# Altium PCB Middle Row.PcbDoc (part 2 of 2)
Units mm, origin at the board's own origin, x right, y up, seen from the top; angles counter-clockwise.
Board outline 162 x 59 mm, 8 copper layers (Top Layer, Layer 2, Layer 3, Layer 4, Layer 5, Layer 6, Layer 7, Bottom Layer), stack 1.611 mm thick; 22 components, 79 nets, 357 pads, 135 vias.
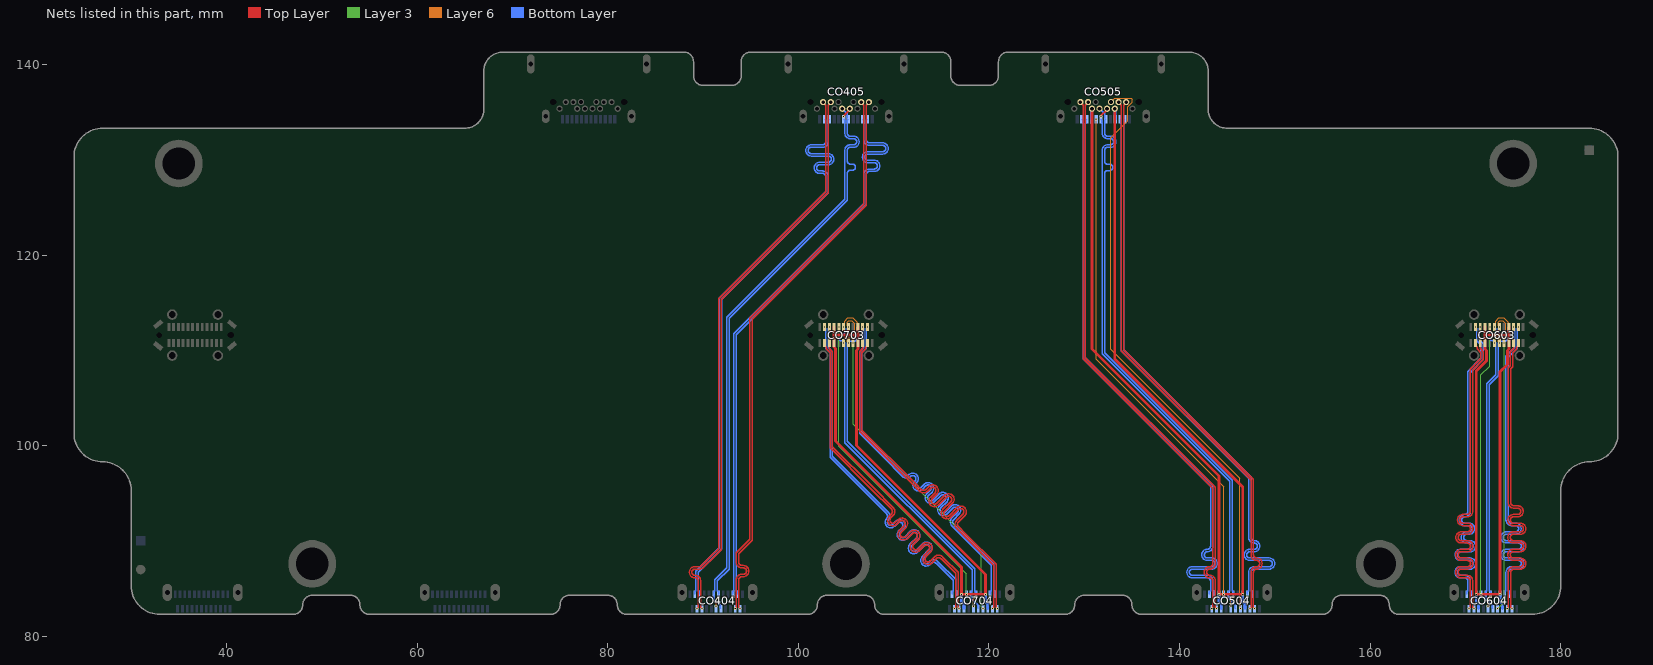
[diagram p8: the nets of this part, all layers, seen from the top]

## Via types
v1: diameter 0.3, hole 0.1, Top Layer to Bottom Layer, 57 vias
v2: diameter 0.3, hole 0.1, Layer 2 to Layer 7, 39 vias
v3: diameter 0.3, hole 0.1, Layer 7 to Bottom Layer, 27 vias
v4: diameter 0.3, hole 0.1, Top Layer to Layer 2, 12 vias

## Nets (pads, with @x,y where several pads share a name; then routed paths per layer and width w, separated by ;. In a path a pad name is that pad's centre, name@x,y a point inside that pad or via, vN(x,y) a via of type N, cw(c..) or ccw(c..) an arc to the next point about the centre after c; other vN are vias at no path point) (continued)
USB3_N: CO404.7 CO404.27 CO405.7 CO405.27 | length 60.8
  Layer 6 w0.125: v3(91.375,83.15) 91.375,83.9 v3(91.625,84.15)
  Bottom Layer w0.15: CO404.7@91.625,84.4 91.625,84.65 91.503,84.773 91.503,85.803 92.755,87.055 92.755,113.355 105.128,125.728 105.128,127.823 105.128,128.556 cw(c105.456,128.556) 105.456,128.885 105.659,128.885 ccw(c105.659,129.214) 105.988,129.214 ccw(c105.659,129.214) 105.659,129.543 105.456,129.543 cw(c105.456,129.872) 105.128,129.872 105.128,130.31 105.128,130.971 cw(c105.456,130.971) 105.456,131.3 105.789,131.3 ccw(c105.789,131.884) 105.789,132.468 105.456,132.468 cw(c105.456,132.797) 105.128,132.797 105.128,133 105.128,133.777 105.15,133.8 105.15,134.14 CO405.7@105.25,134.24 ; CO405.27@104.6,135.35 105.15,134.8 CO405.7@105.15,134.34
  other v2: 91.375,83.15 91.625,84.15
USB3_P: CO404.6 CO404.26 CO405.6 CO405.26 | length 60.2
  Top Layer w0.15: v1(104.75,134.55) 104.75,134.591 105.4,135.241 CO405.26@105.4,135.35
  Bottom Layer w0.15: CO404.26@91.875,82.9 91.8,82.975 91.8,83.3 91.2,83.9 91.2,84.325 CO404.6@91.125,84.4 91.125,84.65 91.248,84.773 91.248,85.908 92.5,87.161 92.5,113.461 104.873,125.833 104.873,130.31 104.873,130.971 cw(c105.456,130.971) 105.456,131.555 105.789,131.555 ccw(c105.789,131.884) 105.789,132.213 105.456,132.213 cw(c105.456,132.797) 104.873,132.797 104.873,133 104.873,133.777 104.85,133.8 104.85,134.14 CO405.6@104.75,134.24
USB3_RX1_N: CO404.30 CO405.30 | length 60.2
  Top Layer w0.15: v1(89.875,82.9) 89.875,82.94 89.753,83.063 89.753,85.6 89.753,85.803 ccw(c89.169,85.803) 89.169,86.387 89.155,86.387 cw(c89.155,86.716) 89.155,87.045 89.603,87.045 ccw(c89.603,87.629) 90.016,87.216 91.218,88.418 91.9,89.1 91.9,115.3 103.128,126.528 103.128,135.712 103.4,135.985 CO405.30@103.4,136.05
USB3_RX1_P: CO404.31 CO405.31 | length 60.2
  Top Layer w0.15: v1(89.375,82.9) 89.375,82.94 89.497,83.063 89.497,85.6 89.497,85.803 ccw(c89.169,85.803) 89.169,86.132 89.155,86.132 cw(c89.155,86.716) 89.155,87.3 89.603,87.3 ccw(c89.603,87.629) 89.835,87.396 90.874,88.435 91.645,89.206 91.645,115.406 102.873,126.633 102.873,135.712 102.6,135.985 CO405.31@102.6,136.05
USB3_RX2_N: CO404.10 CO405.10 | length 61.8
  Bottom Layer w0.15: CO404.10@93.125,84.4 93.125,84.65 93.247,84.773 93.247,111.747 106.872,125.372 106.872,125.5 106.872,128.438 cw(c107.456,128.438) 107.456,129.022 107.976,129.022 ccw(c107.976,129.351) 107.976,129.68 107.299,129.68 cw(c107.299,130.264) 107.299,130.848 108.852,130.848 ccw(c108.852,131.177) 108.852,131.506 107.456,131.506 cw(c107.456,132.09) 106.872,132.09 106.872,132.293 106.872,133.777 106.85,133.8 106.85,134.14 CO405.10@106.75,134.24
USB3_RX2_P: CO404.11 CO405.11 | length 61.8
  Bottom Layer w0.15: CO404.11@93.625,84.4 93.625,84.65 93.503,84.773 93.503,111.642 107.127,125.267 107.127,125.5 107.127,128.438 cw(c107.456,128.438) 107.456,128.767 107.976,128.767 ccw(c107.976,129.351) 107.976,129.935 107.299,129.935 cw(c107.299,130.264) 107.299,130.593 108.852,130.593 ccw(c108.852,131.177) 108.852,131.761 107.456,131.761 cw(c107.456,132.09) 107.127,132.09 107.127,132.293 107.127,133.777 107.15,133.8 107.15,134.14 CO405.11@107.25,134.24
USB3_TX1_N: CO404.3 CO405.3 | length 61.8
  Bottom Layer w0.15: CO404.3@89.625,84.4 89.625,84.65 89.503,84.773 89.503,86.703 91.955,89.155 91.955,115.355 102.3,125.7 103.128,126.528 103.128,128.232 ccw(c102.544,128.232) 102.544,128.816 102.249,128.816 cw(c102.249,129.145) 102.249,129.474 103.13,129.474 ccw(c103.13,130.058) 103.13,130.642 101.352,130.642 cw(c101.352,130.971) 101.352,131.3 102.544,131.3 ccw(c102.544,131.884) 103.128,131.884 103.128,133 103.128,133.777 103.15,133.8 103.15,134.14 CO405.3@103.25,134.24
USB3_TX1_P: CO404.2 CO405.2 | length 61.8
  Bottom Layer w0.15: CO404.2@89.125,84.4 89.125,84.65 89.248,84.773 89.248,86.808 91.7,89.261 91.7,115.461 101.939,125.7 102.873,126.633 102.873,128.232 ccw(c102.544,128.232) 102.544,128.561 102.249,128.561 cw(c102.249,129.145) 102.249,129.729 103.13,129.729 ccw(c103.13,130.058) 103.13,130.387 101.352,130.387 cw(c101.352,130.971) 101.352,131.555 102.544,131.555 ccw(c102.544,131.884) 102.873,131.884 102.873,133 102.873,133.777 102.85,133.8 102.85,134.14 CO405.2@102.75,134.24
USB3_TX2_N: CO404.23 CO405.23 | length 60.2
  Top Layer w0.15: v1(93.375,82.9) 93.375,82.94 93.497,83.063 93.497,84.811 93.497,85.926 cw(c94.081,85.926) 94.081,86.51 94.235,86.51 ccw(c94.235,86.839) 94.235,87.168 94.081,87.168 cw(c94.081,87.752) 93.497,87.752 93.497,88.426 93.497,88.758 94.9,90.161 94.9,113.361 106.872,125.333 106.872,135.712 106.6,135.985 CO405.23@106.6,136.05
USB3_TX2_P: CO404.22 CO405.22 | length 60.2
  Top Layer w0.15: v1(93.875,82.9) 93.875,82.94 93.752,83.063 93.752,84.811 93.752,85.926 cw(c94.081,85.926) 94.081,86.255 94.235,86.255 ccw(c94.235,86.839) 94.235,87.423 94.081,87.423 cw(c94.081,87.752) 93.752,87.752 93.752,88.426 93.752,88.652 95.155,90.055 95.155,113.255 107.127,125.227 107.127,135.712 107.4,135.985 CO405.22@107.4,136.05
USB4_5V: CO504.4 CO504.9 CO504.24 CO504.29 CO505.4 CO505.9 CO505.24 CO505.29 | length 120.9
  Top Layer w0.3: CO505.29@130.8,135.35 130.8,110.15 144.125,96.825 v1(144.125,84.4) v1(146.625,84.4) 146.625,95.675 133.2,109.1 CO505.24@133.2,135.35
  Bottom Layer w0.3: CO505.4@130.75,134.24 130.775,134.265 130.775,135.325 CO505.29@130.8,135.35 ; CO505.24@133.2,135.35 133.225,135.325 133.225,134.265 CO505.9@133.25,134.24 ; v1(144.125,84.4) 144.125,83.625 144.375,83.375 CO504.29@144.375,82.9 ; v1(146.625,84.4) 146.625,83.626 146.875,83.376 CO504.24@146.875,82.9
USB4_CC1: CO504.5 CO505.5 | length 55.4
  Layer 6 w0.127: v3(131.25,134.24) 131.25,109.05 144.625,95.675 v3(144.625,84.4)
  other v2: 144.625,84.4 131.25,134.24
USB4_CC2: CO504.25 CO505.25 | length 62.4
  Layer 6 w0.1: CO505.25@132.8,136.05 133.195,136.445 134.905,136.445 135.025,136.325 135.025,136.004 134.57,135.549 134.57,134.07 132.8,132.3 132.8,110.1 146.3,96.6 146.3,84.275 146.375,84.2 v3(146.375,82.9)
  other v2: 146.375,82.9
USB4_N: CO504.7 CO504.27 CO505.7 CO505.27 | length 60.6
  Layer 6 w0.125: v3(145.375,83.15) 145.375,83.9 v3(145.625,84.15)
  Bottom Layer w0.15: CO505.27@131.6,135.35 132.15,134.8 CO505.7@132.15,134.34 ; CO505.7@132.25,134.24 132.15,134.14 132.15,133.8 132.128,133.777 132.128,133 132.128,132.797 ccw(c132.456,132.797) 132.456,132.468 132.742,132.468 cw(c132.742,131.884) 132.742,131.3 132.456,131.3 ccw(c132.456,130.971) 132.128,130.971 132.128,130.276 132.128,129.849 ccw(c132.456,129.849) 132.456,129.52 132.659,129.52 cw(c132.659,129.191) 132.988,129.191 cw(c132.659,129.191) 132.659,128.862 132.456,128.862 ccw(c132.456,128.533) 132.128,128.533 132.128,127.8 132.128,109.733 145.503,96.358 145.503,84.773 145.625,84.65 CO504.7@145.625,84.4
  other v2: 145.375,83.15 145.625,84.15
USB4_P: CO504.6 CO504.26 CO505.6 CO505.26 | length 60
  Top Layer w0.15: v1(131.75,134.55) 131.75,134.591 132.4,135.241 CO505.26@132.4,135.35
  Bottom Layer w0.15: CO505.6@131.75,134.24 131.85,134.14 131.85,133.8 131.872,133.777 131.872,133 131.872,132.797 ccw(c132.456,132.797) 132.456,132.213 132.742,132.213 cw(c132.742,131.884) 132.742,131.555 132.456,131.555 ccw(c132.456,130.971) 131.872,130.971 131.872,130.276 131.872,109.628 145.248,96.253 145.248,84.773 145.125,84.65 CO504.6@145.125,84.4 145.2,84.325 145.2,83.9 145.8,83.3 145.8,82.975 CO504.26@145.875,82.9
USB4_RX1_N: CO504.30 CO505.30 | length 60
  Top Layer w0.15: CO505.30@130.4,136.05 130.4,135.985 130.128,135.712 130.128,109.233 143.753,95.608 143.753,92.4 143.753,87.629 cw(c143.169,87.629) 143.169,87.045 ccw(c143.168,86.716) 143.168,86.387 cw(c143.169,85.803) 143.753,85.803 143.753,85.6 143.753,83.063 143.875,82.94 v1(143.875,82.9)
USB4_RX1_P: CO504.31 CO505.31 | length 60
  Top Layer w0.15: CO505.31@129.6,136.05 129.6,135.985 129.873,135.712 129.873,109.128 143.498,95.503 143.498,92.4 143.498,87.629 cw(c143.169,87.629) 143.169,87.3 ccw(c143.168,86.716) 143.168,86.132 cw(c143.169,85.803) 143.498,85.803 143.498,85.6 143.498,83.063 143.375,82.94 v1(143.375,82.9)
USB4_RX2_N: CO504.10 CO505.10 | length 61.6
  Bottom Layer w0.15: CO505.10@133.75,134.24 133.85,134.14 133.85,133.8 133.872,133.777 133.872,109.967 147.248,96.592 147.248,93.1 147.248,90.368 ccw(c147.832,90.368) 147.832,89.784 cw(c147.832,89.455) 147.832,89.126 147.375,89.126 ccw(c147.375,88.542) 147.375,87.958 149.4,87.958 cw(c149.4,87.629) 149.4,87.3 147.832,87.3 ccw(c147.832,86.716) 147.248,86.716 147.248,85.6 147.248,84.773 147.125,84.65 CO504.10@147.125,84.4
USB4_RX2_P: CO504.11 CO505.11 | length 61.6
  Bottom Layer w0.15: CO505.11@134.25,134.24 134.15,134.14 134.15,133.8 134.127,133.777 134.127,110.073 147.503,96.698 147.503,93.1 147.503,90.368 ccw(c147.832,90.368) 147.832,90.039 cw(c147.832,89.455) 147.832,88.871 147.375,88.871 ccw(c147.375,88.542) 147.375,88.213 149.4,88.213 cw(c149.4,87.629) 149.4,87.045 147.832,87.045 ccw(c147.832,86.716) 147.503,86.716 147.503,85.6 147.503,84.773 147.625,84.65 CO504.11@147.625,84.4
USB4_TX1_N: CO504.3 CO505.3 | length 61.6
  Bottom Layer w0.15: CO505.3@130.25,134.24 130.15,134.14 130.15,133.8 130.128,133.777 130.128,109.233 143.503,95.858 143.503,92.2 143.503,89.455 cw(c142.919,89.455) 142.919,88.871 ccw(c142.918,88.542) 142.918,88.213 143.375,88.213 cw(c143.375,87.629) 143.375,87.045 141.35,87.045 ccw(c141.35,86.716) 141.35,86.387 142.919,86.387 cw(c142.919,85.803) 143.503,85.803 143.503,85.6 143.503,84.773 143.625,84.65 CO504.3@143.625,84.4
USB4_TX1_P: CO504.2 CO505.2 | length 61.6
  Bottom Layer w0.15: CO505.2@129.75,134.24 129.85,134.14 129.85,133.8 129.873,133.777 129.873,109.127 143.248,95.752 143.248,92.2 143.248,89.455 cw(c142.919,89.455) 142.919,89.126 ccw(c142.918,88.542) 142.918,87.958 143.375,87.958 cw(c143.375,87.629) 143.375,87.3 141.35,87.3 ccw(c141.35,86.716) 141.35,86.132 142.919,86.132 cw(c142.919,85.803) 143.248,85.803 143.248,85.6 143.248,84.773 143.125,84.65 CO504.2@143.125,84.4
USB4_TX2_N: CO504.23 CO505.23 | length 60
  Top Layer w0.15: CO505.23@133.6,136.05 133.6,135.985 133.872,135.712 133.872,109.967 147.497,96.342 147.497,89.891 147.497,88.542 ccw(c148.081,88.542) 148.081,87.958 cw(c148.082,87.629) 148.082,87.3 ccw(c148.081,86.716) 147.497,86.716 147.497,85.6 147.497,83.063 147.375,82.94 v1(147.375,82.9)
USB4_TX2_P: CO504.22 CO505.22 | length 60
  Top Layer w0.15: CO505.22@134.4,136.05 134.4,135.985 134.127,135.712 134.127,110.073 147.752,96.448 147.752,89.891 147.752,88.542 ccw(c148.081,88.542) 148.081,88.213 cw(c148.082,87.629) 148.082,87.045 ccw(c148.081,86.716) 147.752,86.716 147.752,85.6 147.752,83.063 147.875,82.94 v1(147.875,82.9)
USB5_5V: CO603.4 CO603.9 CO603.24 CO603.29 CO604.4 CO604.9 CO604.24 CO604.29 | length 65.2
  Top Layer w0.3: CO603.4@172.05,112.43 172.05,111.6 ; CO603.9@174.55,112.43 174.55,111.6 ; 172.05,111.6 174.55,111.6 ; 172.05,111.6 CO603.29@172.05,110.77 172.05,110.146 172.205,109.991 172.205,108.909 171.125,107.829 v1(171.125,84.4) v1(173.625,84.4) 173.625,107.753 174.395,108.523 174.395,109.991 174.55,110.146 CO603.24@174.55,110.77 174.55,111.6
  Bottom Layer w0.3: v1(171.125,84.4) 171.125,83.625 171.375,83.375 CO604.29@171.375,82.9 ; v1(173.625,84.4) 173.625,83.626 173.875,83.376 CO604.24@173.875,82.9
USB5_CC1: CO603.5 CO604.5 | length 28.4
  Layer 3 w0.125: v3(171.625,84.4) 171.625,107.425 172.55,108.35 v4(172.55,112.43)
  other v2: 171.625,84.4 172.55,112.43
USB5_CC2: CO603.25 CO604.25 | length 28.1
  Layer 3 w0.1: v3(173.375,82.9) 174.05,83.575 v4(174.05,110.77)
  other v2: 173.375,82.9 174.05,110.77
USB5_N: CO603.7 CO603.27 CO604.7 CO604.27 | length 35.4
  Layer 6 w0.125: v3(172.375,83.15) 172.375,83.9 v3(172.625,84.15) ; v2(173.05,110.77) 173.05,110.817 173.152,110.92 173.152,111.322 173.425,111.595 173.995,111.595 174.2,111.8 174.2,112.8 174,113 173.9,113.1 173.6,113.1 173.447,112.948 173.447,112.58 173.55,112.477 v1(173.55,112.43)
  Bottom Layer w0.15: CO604.7@172.625,84.4 172.625,84.65 172.503,84.773 172.503,106.403 173.427,107.328 173.427,109.908 173.427,110.641 cw(c173.756,110.641) 173.756,110.97 174.12,110.97 ccw(c174.12,111.299) 174.449,111.299 ccw(c174.12,111.299) 174.12,111.628 173.756,111.628 cw(c173.756,111.957) 173.427,111.957 173.427,112.267 173.55,112.39 173.55,112.424 v1(173.55,112.43)
  other v2: 172.375,83.15 172.625,84.15
  other v4: 173.05,110.77
USB5_P: CO603.6 CO603.26 CO604.6 CO604.26 | length 36.4
  Layer 6 w0.125: v1(173.05,112.43) 173.05,112.477 173.152,112.58 173.152,113.07 173.478,113.395 174.022,113.395 174.495,112.922 174.495,111.678 174.117,111.3 173.547,111.3 173.447,111.2 173.447,110.92 173.55,110.817 v2(173.55,110.77)
  Bottom Layer w0.15: CO604.26@172.875,82.9 172.8,82.975 172.8,83.3 172.2,83.9 172.2,84.325 CO604.6@172.125,84.4 172.125,84.65 172.248,84.773 172.248,106.508 173.172,107.433 173.172,110.61 173.172,110.685 ccw(c172.843,110.685) 172.843,111.014 cw(c172.843,111.343) 172.514,111.343 cw(c172.843,111.343) 172.843,111.672 ccw(c172.843,112.001) 173.172,112.001 173.172,112.267 173.05,112.39 173.05,112.417 v1(173.05,112.43)
  other v4: 173.55,110.77
USB5_RX1_N: CO603.30 CO604.30 | length 37.5
  Top Layer w0.15: v1(170.875,82.9) 170.875,82.94 170.753,83.063 170.753,85.6 170.753,85.803 ccw(c170.169,85.803) 170.169,86.387 169.552,86.387 cw(c169.552,86.716) 169.552,87.045 170.197,87.045 ccw(c170.197,87.629) 170.197,88.213 169.552,88.213 cw(c169.552,88.542) 169.552,88.871 170.197,88.871 ccw(c170.197,89.455) 170.197,90.039 169.552,90.039 cw(c169.552,90.368) 169.552,90.696 170.197,90.696 ccw(c170.197,91.28) 170.197,91.864 169.732,91.864 cw(c169.732,92.193) 169.732,92.522 170.169,92.522 ccw(c170.169,93.106) 170.753,93.106 170.753,94.453 170.753,107.917 171.88,109.044 171.88,109.856 171.528,110.208 171.528,110.748 CO603.30@171.55,110.77
USB5_RX1_P: CO603.31 CO604.31 | length 37.5
  Top Layer w0.15: v1(170.375,82.9) 170.375,82.94 170.498,83.063 170.498,85.6 170.498,85.803 ccw(c170.169,85.803) 170.169,86.132 169.552,86.132 cw(c169.552,86.716) 169.552,87.3 170.197,87.3 ccw(c170.197,87.629) 170.197,87.958 169.552,87.958 cw(c169.552,88.542) 169.552,89.126 170.197,89.126 ccw(c170.197,89.455) 170.197,89.784 169.552,89.784 cw(c169.552,90.368) 169.552,90.951 170.197,90.951 ccw(c170.197,91.28) 170.197,91.609 169.732,91.609 cw(c169.732,92.193) 169.732,92.777 170.169,92.777 ccw(c170.169,93.106) 170.498,93.106 170.498,94.453 170.498,108.022 171.625,109.15 171.625,109.75 171.225,110.15 171.225,110.32 171.05,110.495 CO603.31@171.05,110.77
USB5_RX2_N: CO603.10 CO604.10 | length 37.5
  Bottom Layer w0.15: CO604.10@174.125,84.4 174.125,84.65 174.248,84.773 174.248,85.6 174.248,86.716 cw(c174.831,86.716) 174.831,87.3 175.546,87.3 ccw(c175.546,87.629) 175.546,87.958 174.284,87.958 cw(c174.284,88.542) 174.284,89.126 175.546,89.126 ccw(c175.546,89.455) 175.546,89.784 174.284,89.784 cw(c174.284,90.368) 174.284,90.951 175.254,90.951 ccw(c175.254,91.28) 175.254,91.609 174.831,91.609 cw(c174.831,92.193) 174.248,92.193 174.248,93.521 174.248,95.328 174.248,95.594 174.248,109.383 175.172,110.308 175.172,112.267 175.05,112.39 v1(175.05,112.43)
USB5_RX2_P: CO603.11 CO604.11 | length 37.5
  Bottom Layer w0.15: CO604.11@174.625,84.4 174.625,84.65 174.503,84.773 174.503,85.6 174.503,86.716 cw(c174.831,86.716) 174.831,87.045 175.546,87.045 ccw(c175.546,87.629) 175.546,88.213 174.284,88.213 cw(c174.284,88.542) 174.284,88.871 175.546,88.871 ccw(c175.546,89.455) 175.546,90.039 174.284,90.039 cw(c174.284,90.368) 174.284,90.696 175.254,90.696 ccw(c175.254,91.28) 175.254,91.864 174.831,91.864 cw(c174.831,92.193) 174.503,92.193 174.503,93.521 174.503,95.222 174.503,95.488 174.503,109.278 175.427,110.203 175.427,112.267 175.55,112.39 v1(175.55,112.43)
USB5_TX1_N: CO603.3 CO604.3 | length 37.5
  Bottom Layer w0.15: CO604.3@170.625,84.4 170.625,84.65 170.503,84.773 170.503,85.6 170.503,85.803 ccw(c169.919,85.803) 169.919,86.387 169.49,86.387 cw(c169.49,86.716) 169.49,87.045 170.481,87.045 ccw(c170.481,87.629) 170.481,88.213 169.49,88.213 cw(c169.49,88.542) 169.49,88.871 170.481,88.871 ccw(c170.481,89.455) 170.481,90.039 170.12,90.039 cw(c170.12,90.368) 170.12,90.696 170.375,90.696 ccw(c170.375,91.28) 170.375,91.864 169.918,91.864 cw(c169.918,92.193) 169.918,92.522 ccw(c169.919,93.106) 170.503,93.106 170.503,94.149 170.503,107.667 171.88,109.044 171.88,110.664 171.428,111.117 171.428,112.267 171.55,112.39 v1(171.55,112.43)
USB5_TX1_P: CO603.2 CO604.2 | length 37.5
  Bottom Layer w0.15: CO604.2@170.125,84.4 170.125,84.65 170.248,84.773 170.248,85.6 170.248,85.803 ccw(c169.919,85.803) 169.919,86.132 169.49,86.132 cw(c169.49,86.716) 169.49,87.3 170.481,87.3 ccw(c170.481,87.629) 170.481,87.958 169.49,87.958 cw(c169.49,88.542) 169.49,89.126 170.481,89.126 ccw(c170.481,89.455) 170.481,89.784 170.12,89.784 cw(c170.12,90.368) 170.12,90.951 170.375,90.951 ccw(c170.375,91.28) 170.375,91.609 169.918,91.609 cw(c169.918,92.193) 169.918,92.777 ccw(c169.919,93.106) 170.248,93.106 170.248,94.149 170.248,107.772 171.625,109.15 171.625,110.558 171.172,111.011 171.172,112.267 171.05,112.39 v1(171.05,112.43)
USB5_TX2_N: CO603.23 CO604.23 | length 37.5
  Top Layer w0.15: v1(174.375,82.9) 174.375,82.94 174.497,83.063 174.497,85.6 174.498,86.716 cw(c175.081,86.716) 175.081,87.3 175.741,87.3 ccw(c175.741,87.628) 176.07,87.628 ccw(c175.741,87.629) 175.741,87.957 175.019,87.957 cw(c175.019,88.541) 174.435,88.541 cw(c175.019,88.541) 175.019,89.125 175.741,89.125 ccw(c175.741,89.454) 176.07,89.454 ccw(c175.741,89.454) 175.741,89.783 175.019,89.783 cw(c175.019,90.367) 174.435,90.367 cw(c175.019,90.367) 175.019,90.951 175.741,90.951 ccw(c175.741,91.28) 176.07,91.28 ccw(c175.741,91.28) 175.741,91.609 175.019,91.609 cw(c175.019,92.193) 174.435,92.193 cw(c175.019,92.193) 175.019,92.777 175.473,92.777 ccw(c175.473,93.106) 175.802,93.106 ccw(c175.473,93.106) 175.473,93.435 175.081,93.435 cw(c175.081,94.019) 174.498,94.019 174.498,94.886 174.497,95.141 174.497,108.166 174.72,108.389 174.72,109.856 175.072,110.208 175.072,110.748 CO603.23@175.05,110.77
USB5_TX2_P: CO603.22 CO604.22 | length 37.5
  Top Layer w0.15: v1(174.875,82.9) 174.875,82.94 174.752,83.063 174.752,85.6 174.752,86.716 cw(c175.081,86.716) 175.081,87.045 175.741,87.045 ccw(c175.741,87.628) 176.325,87.628 ccw(c175.741,87.629) 175.741,88.212 175.019,88.212 cw(c175.019,88.541) 174.69,88.541 cw(c175.019,88.541) 175.019,88.87 175.741,88.87 ccw(c175.741,89.454) 176.325,89.454 ccw(c175.741,89.454) 175.741,90.038 175.019,90.038 cw(c175.019,90.367) 174.69,90.367 cw(c175.019,90.367) 175.019,90.696 175.741,90.696 ccw(c175.741,91.28) 176.325,91.28 ccw(c175.741,91.28) 175.741,91.864 175.019,91.864 cw(c175.019,92.193) 174.69,92.193 cw(c175.019,92.193) 175.019,92.522 175.473,92.522 ccw(c175.473,93.106) 176.057,93.106 ccw(c175.473,93.106) 175.473,93.69 175.081,93.69 cw(c175.081,94.019) 174.752,94.019 174.752,94.886 174.753,95.141 174.753,108.061 174.975,108.283 174.975,109.75 175.375,110.15 175.375,110.32 175.55,110.495 CO603.22@175.55,110.77
USB6_5V: CO703.4 CO703.9 CO703.24 CO703.29 CO704.4 CO704.9 CO704.24 CO704.29 | length 75.5
  Top Layer w0.3: CO703.4@103.75,112.43 103.75,111.6 ; CO703.9@106.25,112.43 106.25,111.6 ; 103.75,111.6 106.25,111.6 ; 103.75,111.6 CO703.29@103.75,110.77 103.75,110.334 103.905,110.179 103.905,100.495 117.125,87.275 v1(117.125,84.4) v1(119.625,84.4) 119.625,86.475 106.095,100.005 106.095,109.991 106.25,110.146 CO703.24@106.25,110.77 106.25,111.6
  Bottom Layer w0.3: v1(117.125,84.4) 117.125,83.625 117.375,83.375 CO704.29@117.375,82.9 ; v1(119.625,84.4) 119.625,83.626 119.875,83.376 CO704.24@119.875,82.9
USB6_CC1: CO703.5 CO704.5 | length 33.6
  Layer 3 w0.125: v4(104.25,112.43) 104.25,99.95 117.625,86.575 v3(117.625,84.4)
  other v2: 117.625,84.4 104.25,112.43
USB6_CC2: CO703.25 CO704.25 | length 33.5
  Layer 3 w0.125: v4(105.75,110.77) 105.75,102.25 119.2,88.8 119.2,83.075 v3(119.375,82.9)
  other v2: 119.375,82.9 105.75,110.77
USB6_N: CO703.7 CO703.27 CO704.7 CO704.27 | length 40.6
  Layer 6 w0.125: v2(104.75,110.77) 104.75,110.817 104.853,110.92 104.853,111.322 105.125,111.595 105.695,111.595 105.9,111.8 105.9,112.8 105.7,113 105.6,113.1 105.3,113.1 105.148,112.948 105.148,112.58 105.25,112.477 v1(105.25,112.43) ; v3(118.375,83.15) 118.375,83.9 v3(118.625,84.15)
  Bottom Layer w0.15: v1(105.25,112.43) 105.25,112.416 105.25,112.39 105.128,112.267 105.128,111.948 ccw(c105.456,111.948) 105.456,111.619 105.82,111.619 cw(c105.82,111.29) 106.149,111.29 cw(c105.82,111.29) 105.82,110.961 105.456,110.961 ccw(c105.456,110.632) 105.128,110.632 105.128,109.899 105.128,100.433 118.503,87.058 118.503,84.773 118.625,84.65 CO704.7@118.625,84.4
  other v2: 118.375,83.15 118.625,84.15
  other v4: 104.75,110.77
USB6_P: CO703.6 CO703.26 CO704.6 CO704.26 | length 41.6
  Layer 6 w0.125: v1(104.75,112.43) 104.75,112.477 104.853,112.58 104.853,113.07 105.178,113.395 105.722,113.395 106.195,112.922 106.195,111.678 105.817,111.3 105.248,111.3 105.148,111.2 105.148,110.92 105.25,110.817 v2(105.25,110.77)
  Bottom Layer w0.15: v1(104.75,112.43) 104.75,112.405 104.75,112.39 104.873,112.267 104.873,111.993 cw(c104.544,111.993) 104.544,111.664 ccw(c104.543,111.335) 104.214,111.335 ccw(c104.543,111.335) 104.543,111.006 cw(c104.544,110.677) 104.873,110.677 104.873,110.602 104.873,100.328 118.248,86.953 118.248,84.773 118.125,84.65 CO704.6@118.125,84.4 118.2,84.325 118.2,83.9 118.8,83.3 118.8,82.975 CO704.26@118.875,82.9
  other v4: 105.25,110.77
USB6_RX1_N: CO703.30 CO704.30 | length 42.6
  Top Layer w0.15: CO703.30@103.25,110.77 103.228,110.748 103.228,110.208 103.58,109.856 103.58,99.881 107.786,95.675 107.891,95.569 109.965,93.495 cw(c109.552,93.082) 109.965,92.669 109.705,92.409 ccw(c109.938,92.176) 109.705,91.944 ccw(c109.938,92.176) 110.17,91.944 110.467,92.24 cw(c110.88,91.827) 111.293,92.24 cw(c110.88,91.827) 111.33,91.456 111.33,91.452 110.801,90.923 ccw(c111.033,90.69) 110.801,90.457 ccw(c111.033,90.69) 111.266,90.457 ; 111.267,90.458 111.758,90.949 cw(c112.171,90.536) 112.584,90.949 cw(c112.171,90.536) 112.621,90.164 112.621,90.161 112.092,89.631 ccw(c112.325,89.399) 112.092,89.166 ccw(c112.325,89.399) 112.557,89.166 113.049,89.658 cw(c113.462,89.245) 113.875,89.658 cw(c113.462,89.245) 113.912,88.873 113.912,88.869 113.383,88.34 ccw(c113.616,88.108) 113.383,87.875 ccw(c113.616,88.108) 113.848,87.875 ; 113.849,87.875 114.304,88.331 cw(c114.717,87.918) 115.13,88.331 115.167,88.293 115.273,88.187 116.752,86.708 116.752,83.063 116.875,82.94 v1(116.875,82.9)
USB6_RX1_P: CO703.31 CO704.31 | length 42.7
  Top Layer w0.15: CO703.31@102.75,110.77 102.75,110.495 102.925,110.32 102.925,110.15 103.325,109.75 103.325,99.775 107.605,95.495 107.711,95.389 109.785,93.315 cw(c109.552,93.082) 109.785,92.85 109.525,92.589 ccw(c109.938,92.176) 109.525,91.764 ccw(c109.938,92.176) 110.351,91.764 110.647,92.06 cw(c110.88,91.827) 111.112,92.06 cw(c110.88,91.827) 111.112,91.595 ; 111.112,91.594 110.621,91.103 ccw(c111.033,90.69) 110.621,90.277 ccw(c111.033,90.69) 111.405,90.24 111.409,90.24 111.938,90.769 cw(c112.171,90.536) 112.404,90.769 cw(c112.171,90.536) 112.404,90.304 ; 112.403,90.303 111.912,89.812 ccw(c112.325,89.399) 111.912,88.986 ccw(c112.325,89.399) 112.697,88.948 112.7,88.948 113.229,89.478 cw(c113.462,89.245) 113.695,89.478 cw(c113.462,89.245) 113.695,89.012 ; 113.694,89.012 113.203,88.521 ccw(c113.616,88.108) 113.203,87.695 ccw(c113.616,88.108) 113.988,87.657 113.991,87.657 114.484,88.15 cw(c114.717,87.918) 114.95,88.15 114.987,88.113 115.093,88.007 116.497,86.603 116.497,83.063 116.375,82.94 v1(116.375,82.9)
USB6_RX2_N: CO703.10 CO704.10 | length 42.7
  Bottom Layer w0.15: v1(106.75,112.43) 106.75,112.39 106.872,112.267 106.872,110.308 106.42,109.856 106.42,101.28 108.834,98.866 108.94,98.76 110.946,96.754 ccw(c111.359,97.166) 111.772,96.753 cw(c112.005,96.521) 112.238,96.754 cw(c112.005,96.521) 112.238,96.288 112.193,96.243 ccw(c112.606,95.83) 112.193,95.417 ccw(c112.606,95.83) 112.978,95.38 112.981,95.38 113.378,95.777 cw(c113.611,95.544) 113.844,95.777 cw(c113.611,95.544) 113.844,95.312 113.484,94.952 ccw(c113.897,94.539) 113.484,94.126 ccw(c113.897,94.539) 114.269,94.089 114.273,94.089 114.923,94.739 cw(c115.155,94.506) 115.388,94.739 cw(c115.155,94.506) 115.388,94.274 ; 115.387,94.273 114.775,93.661 ccw(c115.188,93.248) 114.775,92.835 ccw(c115.188,93.248) 115.56,92.798 115.564,92.798 116.214,93.448 cw(c116.446,93.215) 116.679,93.448 cw(c116.446,93.215) 116.679,92.983 ; 116.679,92.982 116.111,92.415 ccw(c116.524,92.002) 116.112,91.588 116.794,90.906 116.9,90.8 120.247,87.453 120.247,84.773 120.125,84.65 CO704.10@120.125,84.4
USB6_RX2_P: CO703.11 CO704.11 | length 42.7
  Bottom Layer w0.15: v1(107.25,112.43) 107.25,112.39 107.127,112.267 107.127,110.203 106.675,109.75 106.675,101.386 109.014,99.046 109.12,98.941 111.127,96.934 ccw(c111.359,97.166) 111.592,96.934 cw(c112.005,96.521) 112.418,96.934 cw(c112.005,96.521) 112.418,96.108 112.373,96.063 ccw(c112.606,95.83) 112.373,95.598 ccw(c112.606,95.83) 112.838,95.598 ; 112.839,95.598 113.198,95.957 cw(c113.611,95.544) 114.024,95.957 cw(c113.611,95.544) 114.024,95.131 113.664,94.772 ccw(c113.897,94.539) 113.664,94.307 ccw(c113.897,94.539) 114.13,94.307 ; 114.13,94.307 114.742,94.919 cw(c115.155,94.506) 115.568,94.919 cw(c115.155,94.506) 115.606,94.134 115.606,94.131 114.955,93.481 ccw(c115.188,93.248) 114.955,93.015 ccw(c115.188,93.248) 115.421,93.015 ; 115.421,93.016 116.033,93.628 cw(c116.446,93.215) 116.859,93.628 cw(c116.446,93.215) 116.897,92.843 116.897,92.84 116.292,92.234 ccw(c116.524,92.002) 116.292,91.769 116.974,91.086 117.08,90.98 120.502,87.558 120.502,84.773 120.625,84.65 CO704.11@120.625,84.4
USB6_TX1_N: CO703.3 CO704.3 | length 42.7
  Bottom Layer w0.15: v1(103.25,112.43) 103.25,112.39 103.128,112.267 103.128,110.308 103.58,109.856 103.58,98.881 108.707,93.753 108.813,93.647 109.444,93.016 cw(c109.031,92.603) 109.444,92.19 ccw(c109.677,91.958) 109.444,91.725 ccw(c109.677,91.958) 109.91,91.725 110.232,92.048 cw(c110.645,91.635) 111.058,92.048 cw(c110.645,91.635) 111.058,91.222 110.73,90.893 ccw(c110.962,90.661) 110.73,90.428 ccw(c110.962,90.661) 111.195,90.428 111.757,90.99 cw(c112.17,90.577) 112.583,90.99 cw(c112.17,90.577) 112.621,90.206 112.621,90.202 111.889,89.471 ccw(c112.122,89.238) 111.889,89.005 ccw(c112.122,89.238) 112.355,89.005 ; 112.355,89.006 113.048,89.699 cw(c113.461,89.286) 113.874,89.699 cw(c113.461,89.286) 113.912,88.914 113.912,88.911 113.181,88.18 ccw(c113.413,87.947) 113.181,87.714 ccw(c113.413,87.947) 113.646,87.714 ; 113.646,87.715 113.783,87.852 cw(c114.196,87.439) 114.609,87.852 114.646,87.814 114.752,87.708 116.503,85.958 116.503,84.773 116.625,84.65 CO704.3@116.625,84.4
USB6_TX1_P: CO703.2 CO704.2 | length 42.7
  Bottom Layer w0.15: v1(102.75,112.43) 102.75,112.39 102.873,112.267 102.873,110.203 103.325,109.75 103.325,98.775 108.527,93.573 108.633,93.467 109.264,92.836 cw(c109.031,92.603) 109.264,92.371 ccw(c109.677,91.958) 109.264,91.545 ccw(c109.677,91.958) 110.09,91.545 110.413,91.868 cw(c110.645,91.635) 110.878,91.868 cw(c110.645,91.635) 110.878,91.402 110.549,91.074 ccw(c110.962,90.661) 110.549,90.248 ccw(c110.962,90.661) 111.375,90.248 111.938,90.81 cw(c112.17,90.577) 112.403,90.81 cw(c112.17,90.577) 112.403,90.345 ; 112.402,90.344 111.709,89.651 ccw(c112.122,89.238) 111.709,88.825 ccw(c112.122,89.238) 112.494,88.788 112.498,88.788 113.229,89.519 cw(c113.461,89.286) 113.694,89.519 cw(c113.461,89.286) 113.694,89.054 ; 113.694,89.053 113,88.36 ccw(c113.413,87.947) 113,87.534 ccw(c113.413,87.947) 113.785,87.497 113.789,87.497 113.963,87.671 cw(c114.196,87.439) 114.429,87.671 114.466,87.634 114.572,87.528 116.248,85.853 116.248,84.773 116.125,84.65 CO704.2@116.125,84.4
USB6_TX2_N: CO703.23 CO704.23 | length 42.6
  Top Layer w0.15: CO703.23@106.75,110.77 106.772,110.748 106.772,110.208 106.42,109.856 106.42,101.519 112.084,95.856 112.731,95.208 ccw(c113.145,95.621) 113.558,95.208 113.875,95.525 cw(c114.107,95.292) 114.34,95.525 cw(c114.107,95.292) 114.34,95.06 113.875,94.594 ccw(c114.288,94.181) 113.875,93.768 ccw(c114.288,94.181) 114.659,93.731 114.663,93.731 115.528,94.596 cw(c115.761,94.364) 115.994,94.596 cw(c115.761,94.364) 115.994,94.131 ; 115.993,94.13 115.166,93.303 ccw(c115.579,92.89) 115.166,92.477 ccw(c115.579,92.89) 115.951,92.44 115.954,92.44 116.819,93.305 cw(c117.052,93.072) 117.285,93.305 cw(c117.052,93.072) 117.285,92.84 116.605,92.16 ccw(c117.018,91.747) 116.606,91.334 117.394,90.545 120.497,87.442 120.497,83.063 120.375,82.94 v1(120.375,82.9)
USB6_TX2_P: CO703.22 CO704.22 | length 42.7
  Top Layer w0.15: CO703.22@107.25,110.77 107.25,110.495 107.075,110.32 107.075,110.15 106.675,109.75 106.675,101.625 112.264,96.036 112.912,95.388 ccw(c113.145,95.621) 113.377,95.388 113.694,95.705 cw(c114.107,95.292) 114.52,95.705 cw(c114.107,95.292) 114.52,94.879 114.055,94.414 ccw(c114.288,94.181) 114.055,93.949 ccw(c114.288,94.181) 114.52,93.949 ; 114.521,93.949 115.348,94.777 cw(c115.761,94.364) 116.174,94.777 cw(c115.761,94.364) 116.211,93.992 116.211,93.988 115.346,93.123 ccw(c115.579,92.89) 115.346,92.658 ccw(c115.579,92.89) 115.811,92.658 116.639,93.485 cw(c117.052,93.072) 117.465,93.485 cw(c117.052,93.072) 117.502,92.701 117.502,92.697 116.785,91.98 ccw(c117.018,91.747) 116.785,91.515 117.574,90.726 120.752,87.548 120.752,83.063 120.875,82.94 v1(120.875,82.9)
pads on no net: CO203.8 CO203.28 CO203.HOLE CO204.8 CO204.28 CO304.8 CO304.28 CO305.8 CO305.28 CO305.HOLE CO404.8 CO404.28 CO405.8 CO405.28 CO405.HOLE CO504.8 CO504.28 CO505.8 CO505.28 CO505.HOLE CO603.8 CO603.28 CO603.HOLE CO604.8 CO604.28 CO703.8 CO703.28 CO703.HOLE CO704.8 CO704.28 Fid1.1 Fid2.1 Fid3.1 Fid4.1

## Polygon pours and split planes (outlines as drawn)
GND on Bottom Layer "GND_L08_P015" (solid, pour order 15): 24,82 186,82 186,142 24,142
GND on Top Layer "GND_L01_P022" (solid, pour order 22): 24,82 186,82 186,142 24,142
GND on Layer 7 "GND_L07_P016" (solid, pour order 16): 24,82 186,82 186,142 24,142
GND on Layer 5 "GND_L05_P018" (solid, pour order 18): 24,82 186,82 186,142 24,142
GND on Layer 4 "GND_L04_P019" (solid, pour order 19): 24,82 186,82 186,142 24,142
GND on Layer 3 "GND_L03_P020" (solid, pour order 20): 24,82 186,82 186,142 24,142
GND on Layer 2 "GND_L02_P021" (solid, pour order 21): 24,82 186,82 186,142 24,142
GND on Layer 6 "GND_L06_P017" (solid, pour order 17): 24,82 186,82 186,142 24,142

## Silkscreen, mask and mechanical layers (free items; w line width, h text height)
Top Overlay:
  text "Grid - part 2 of 3" at 49.406,119.056 h3
  text "V.Rev" at 49.406,116.056 h3
  text "Position 2 / USB1" at 33.825,105.517 h1.5
  text "Position 7 / USB6" at 102.125,105.517 h1.5
  text "Position 6 / USB5" at 170.425,105.517 h1.5
Board Shape:
  the board outline again, w0.025

## Text inside footprints (layer, text, board x,y; h text height)
"Logo FxLand?": Top Overlay "Fx.Land" at 125.755,103.501 h5